# Altium PCB cheriot-test.PcbDoc (part 7 of 10) (continued)
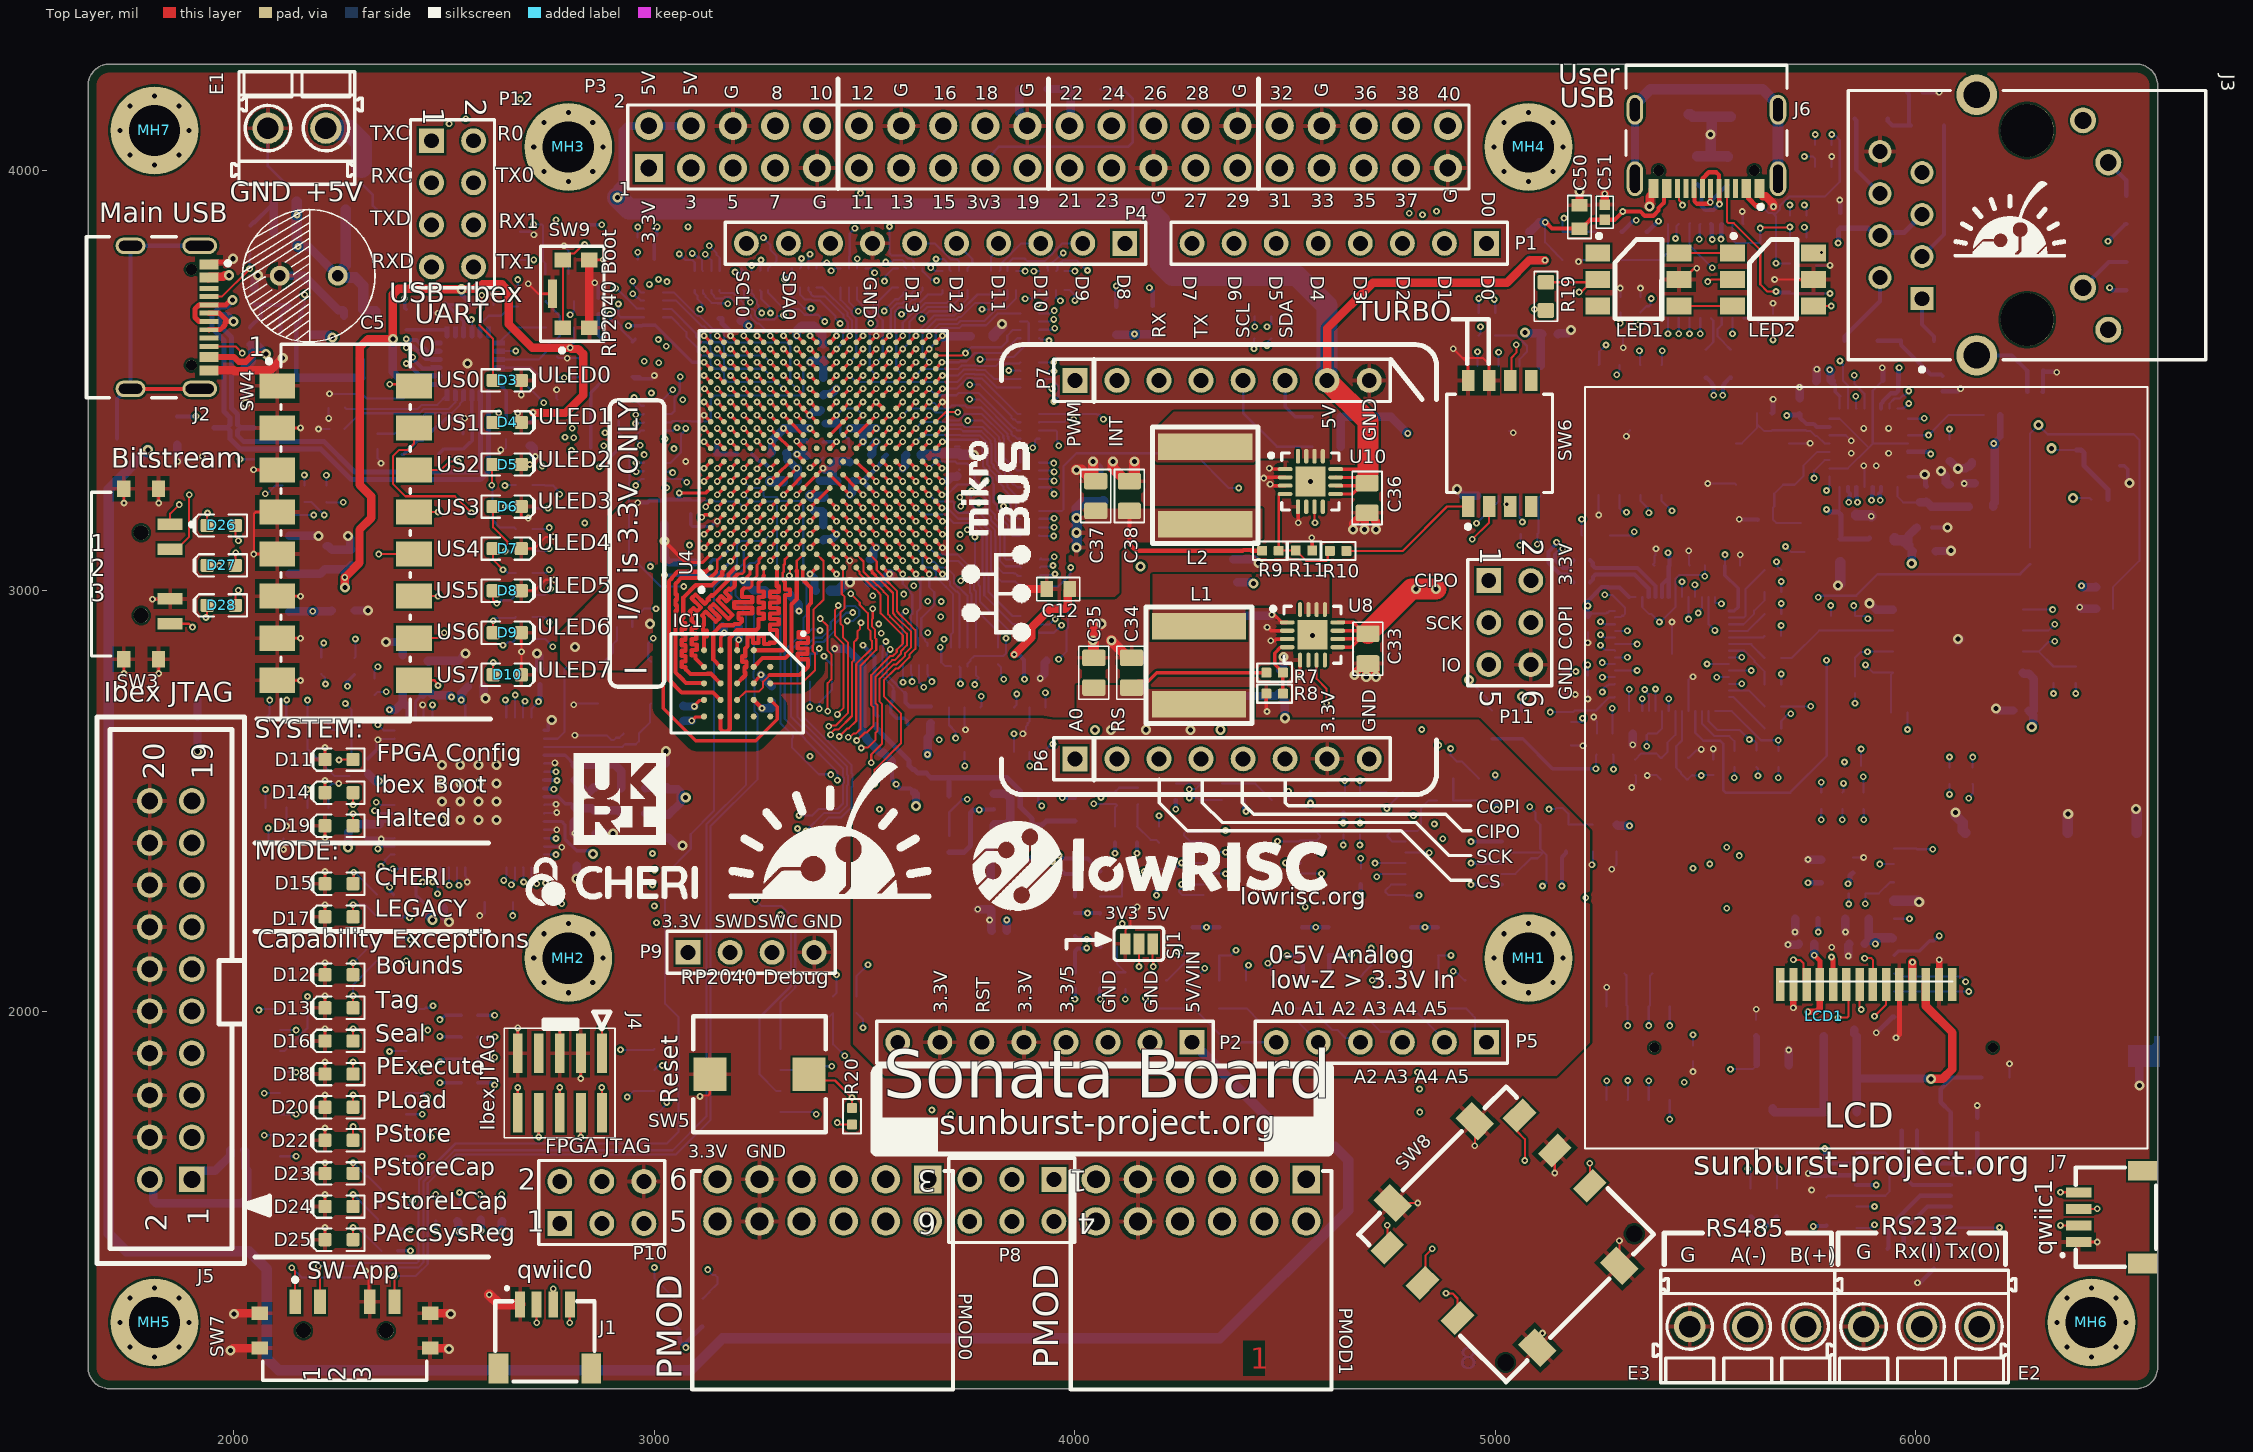
[diagram p0: Top Layer view]
## Nets (pads, with @x,y where several pads share a name; then routed paths per layer and width w, separated by ;. In a path a pad name is that pad's centre, name@x,y a point inside that pad or via, vN(x,y) a via of type N, cw(c..) or ccw(c..) an arc to the next point about the centre after c; other vN are vias at no path point) (continued)
NetR183_3A: R183.3A U4.R11 | length 429.9
  Top Layer w8: U4.R11@3574.8,3370.08 v1(3590.55,3385.83)
  Int6 (Sign) w5: v1(3590.55,3385.83) 3606.05,3401.33 3691.46,3401.33 3703.79,3389 3794.51,3389 3854.33,3448.82 3854.33,3511.81 v1(3842.52,3523.62)
  Bottom Layer w5: v1(3842.52,3523.62) 3843,3523.14 3869.52,3523.14 R183.3A@3870,3522.67
NetR183_4A: R183.4A U4.T15 | length 283.7
  Top Layer w8: U4.T15@3606.3,3496.06 v1(3622.05,3511.81)
  Bottom Layer w5: v1(3622.05,3511.81) 3637.55,3527.31 3722.96,3527.31 3731.15,3535.5 3768.95,3535.5 3769.95,3534.5 3812.61,3534.5 3818.11,3540 3867.65,3540 R183.4A@3870,3542.35
NetR184_1A: R184.1A U4.U8 | length 506.1
  Top Layer w8: U4.U8@3637.8,3275.59 v1(3653.54,3259.84)
  Int6 (Sign) w5: v1(3653.54,3259.84) 3655.65,3257.74 3664.02,3257.74 3677.91,3243.85 3695.71,3243.85 3710.36,3229.2 3710.36,3215.94 3712.12,3214.18 3712.12,3208.08 3712.85,3207.35 3712.85,3194.37 3746.59,3160.63 3749.7,3160.63 3749.81,3160.52 3750.89,3160.52 3756.13,3155.29 3766.54,3144.91 3766.54,3134.91 3762.19,3130.56 v1(3762.19,3127.58)
  Bottom Layer w5: v1(3762.19,3127.58) 3762.19,3058.84 3770.47,3050.56 3770.47,3014.06 3774.47,3010.06 3774.47,2973.56 3845.91,2902.12 3867.88,2902.12 R184.1A@3870,2900.01
NetR184_2A: R184.2A U4.T6 | length 466.7
  Top Layer w8: U4.T6@3606.3,3212.6 v1(3622.05,3196.85)
  Bottom Layer w5: v1(3622.05,3196.85) 3638.04,3180.85 3691.46,3180.85 3711.17,3161.14 3751.64,3161.14 3760.32,3152.46 3760.32,3151.37 3780.47,3131.22 3780.47,3039.05 3784.47,3035.05 3784.47,2988.88 3852.63,2920.71 3868.98,2920.71 R184.2A@3870,2919.69
NetR184_3A: R184.3A U4.V6 | length 393.9
  Top Layer w8: U4.V6@3669.29,3212.6 3669.29,3212 3683.83,3197.45 v1(3683.83,3196.85)
  Bottom Layer w5: v1(3683.83,3196.85) 3685.94,3194.75 3698.33,3194.75 3721.93,3171.14 3755.78,3171.14 3770.32,3156.6 3770.32,3155.51 3790.47,3135.37 3790.47,3043.19 3794.47,3039.19 3794.47,2997 3851.74,2939.73 3869.65,2939.73 R184.3A@3870,2939.38
NetR185_1A: R185.1A U4.V10 | length 389.5
  Top Layer w8: U4.V10@3669.29,3338.58 v1(3685.04,3354.33)
  Bottom Layer w5: v1(3685.04,3354.33) 3688.02,3354.33 3692.69,3359 3769.17,3359 3779.48,3348.68 3779.48,3330.8 3781.53,3328.76 3781.53,3295.51 3787.15,3289.88 3787.15,3284.88 3804.11,3267.92 3804.11,3255.87 3807.15,3252.83 3807.15,3210.3 3814.82,3202.63 3814.82,3192.17 3820.32,3186.67 3820.32,3176.22 3840.47,3156.08 3840.47,3141.36 3851.2,3130.62 R185.1A@3870,3130.62
NetR185_2A: R185.2A U4.T9 | length 347.5
  Top Layer w8: U4.T9@3606.3,3307.09 v1(3622.05,3291.34)
  Int6 (Sign) w5: v1(3622.05,3291.34) 3638.04,3275.34 3693.47,3275.34 3726.93,3241.88 3734.77,3241.88 3737.04,3239.61 3737.04,3233.1 3741.36,3228.78 3741.36,3227.14 3744.42,3224.09 3745.58,3224.09 3747.93,3221.74 3762.81,3221.74 3765.23,3224.16 3778.07,3224.16 3783.4,3218.84 3789.03,3218.84 3806.43,3201.44 3829.81,3201.44 v1(3830.32,3200.92)
  Bottom Layer w5: v1(3830.32,3200.92) 3830.32,3180.36 3854.1,3156.59 3856.83,3156.59 3863.11,3150.31 R185.2A@3870,3150.31
NetR185_3A: R185.3A U4.T10 | length 424
  Top Layer w8: U4.T10@3606.3,3338.58 v1(3622.05,3354.33)
  Bottom Layer w5: v1(3622.05,3354.33) 3638.04,3370.33 3728.97,3370.33 3730.3,3369 3773.31,3369 3789.7,3352.61 3789.7,3347.06 3791.53,3345.24 3791.53,3299.65 3797.15,3294.03 3797.15,3289.02 3814.11,3272.06 3814.11,3262.81 3830.1,3246.82 3830.1,3242.38 3846.46,3226.03 3846.46,3183.92 3854.1,3176.27 3859.7,3173.4 R185.3A@3870,3169.99
NetR185_4A: R185.4A U4.V11 | length 349.2
  Top Layer w8: U4.V11@3669.29,3370.08 v1(3685.04,3385.83)
  Bottom Layer w5: v1(3685.04,3385.83) 3686.37,3384.5 3728.94,3384.5 3734.44,3379 3777.45,3379 3799.7,3356.75 3799.7,3351.21 3801.53,3349.38 3801.53,3303.79 3807.15,3298.17 3807.15,3293.16 3824.11,3276.21 3824.11,3268.06 3840.1,3252.07 3840.1,3246.52 3859.7,3226.92 3859.7,3193.09 3863.11,3189.68 R185.4A@3870,3189.68
NetR186_1: R186.1 U4.J15 | length 1702.7
  Top Layer w8: v1(3370.08,3511.81) U4.J15@3385.83,3496.06
  Int6 (Sign) w5: v1(3370.08,3511.81) 3370.08,3508.83 3364.33,3503.09 3364.33,3499.79 3354.08,3489.55 3354.08,3442.4 3354.08,3379.9 3362.33,3371.66 3362.33,3313.74 3354.58,3305.99 3354.58,3285.41 3323.08,3253.92 3323.08,3095.94 3336.58,3082.45 3336.58,2993.28 3328.24,2984.94 3328.24,2936.36 3357.58,2907.03 3357.58,2904.44 3382.01,2880.01 3433.25,2880.01 3448.82,2864.44 3449.6,2864.44 3479.39,2834.65 3479.39,2670.03 3507.63,2641.8 3507.63,2604.35 3500.25,2596.97 3500.25,2584.13 3507.63,2576.75 3507.63,2567.31 3498.12,2557.81 3498.12,2378.9 3492.37,2373.16 3492.37,2105.54 3479.33,2092.5 3438.95,2092.5 v1(3433.07,2086.61)
  Bottom Layer w5: R186.1@3425.2,2035.43 3432.61,2042.84 3432.61,2086.15 v1(3433.07,2086.61)
NetR187_1: R187.1 U4.K16 | length 1705.1
  Top Layer w8: U4.K16@3417.32,3527.56 v1(3433.07,3543.31)
  Int6 (Sign) w5: v1(3433.07,3543.31) 3415.07,3525.31 3415.07,3383.83 3385.58,3354.33 3385.58,3286.12 3354.58,3255.12 3354.58,3032.95 3359.24,3028.29 3359.24,2919.51 3367.58,2911.17 3367.58,2908.58 3386.15,2890.01 3467.05,2890.01 3480.56,2876.5 3480.56,2863.66 3489.39,2854.83 3489.39,2674.17 3521.5,2642.07 3521.5,2625.78 3531.5,2615.78 3531.5,2577.04 3508.12,2553.66 3508.12,2110.48 v1(3507.87,2110.24)
  Bottom Layer w5: R187.1@3480.72,2035.83 R187.1@3480.32,2035.43 3480.32,2082.68 v1(3507.87,2110.24)
NetR188_1A: R188.1A U4.T11 | length 378.7
  Top Layer w8: U4.T11@3606.3,3370.08 v1(3622.05,3385.83)
  Bottom Layer w5: v1(3622.05,3385.83) 3637.55,3401.33 3692.61,3401.33 3699.44,3394.5 3733.08,3394.5 3738.58,3389 3781.59,3389 3809.7,3360.89 3809.7,3355.35 3811.53,3353.52 3811.53,3307.93 3817.15,3302.31 3817.15,3297.3 3834.11,3280.35 3834.11,3272.2 3854.1,3252.21 3856.83,3252.21 3863.11,3245.93 R188.1A@3870,3245.93
NetR188_2A: R188.2A U4.U12 | length 336
  Top Layer w8: U4.U12@3637.8,3401.57 v1(3653.54,3417.32)
  Int6 (Sign) w5: v1(3653.54,3417.32) 3688.98,3417.32 3694.97,3411.33 3695.6,3411.33 3702.43,3404.5 v1(3745,3404.5)
  Bottom Layer w5: v1(3745,3404.5) 3780.24,3404.5 3819.7,3365.03 3819.7,3359.49 3821.53,3357.66 3821.53,3312.08 3832.81,3300.79 3832.81,3295.78 3844.11,3284.49 3844.11,3281.89 3854.1,3271.9 3856.83,3271.9 3863.11,3265.62 R188.2A@3870,3265.62
NetR188_3A: R188.3A U4.R12 | length 413.2
  Top Layer w8: U4.R12@3574.8,3401.57 v1(3590.55,3417.32)
  Bottom Layer w5: v1(3590.55,3417.32) 3606.05,3432.82 3659.96,3432.82 3669.47,3423.32 3684.76,3423.32 3703.58,3404.5 3723.08,3404.5 3738.58,3420 3778.88,3420 3829.7,3369.17 3829.7,3363.63 3831.53,3361.81 3831.53,3316.22 3842.81,3304.94 3842.81,3302.87 3854.1,3291.58 3856.83,3291.58 3863.11,3285.3 R188.3A@3870,3285.3
NetR188_4A: R188.4A U4.U13 | length 326.1
  Top Layer w8: U4.U13@3637.8,3433.07 v1(3653.54,3448.82)
  Bottom Layer w5: v1(3653.54,3448.82) 3655.65,3446.71 3665.22,3446.71 3678.62,3433.32 3699.76,3433.32 3706.44,3440 3739.73,3440 3744.24,3435.5 3777.52,3435.5 3839.7,3373.32 3839.7,3367.77 3841.53,3365.95 3841.53,3360.41 3870,3331.94 R188.4A@3870,3304.99
NetR189_1A: R189.1A U4.R10 | length 799.5
  Top Layer w8: U4.R10@3574.8,3338.58 v1(3590.55,3354.33)
  Int6 (Sign) w5: v1(3590.55,3354.33) 3624.88,3320 3705.32,3320 3757.36,3267.96 3770.2,3267.96 3801.7,3299.46 3804.46,3299.46 3920,3415 3920,3551.43 4000,3631.43 v1(4000,3690)
  Bottom Layer w5: R189.1A@3974.99,3714.72 3988.39,3714.72 3997.9,3705.22 3997.9,3692.1 v1(4000,3690)
NetR189_2A: R189.2A U4.V12 | length 542.4
  Top Layer w5: U4.V12@3669.29,3401.57 3692.22,3424.5 v1(3721.16,3424.5)
  Int6 (Sign) w5: v1(3721.16,3424.5) 3747.2,3424.5 3751.7,3420 3774.76,3420 3819.11,3464.35 3819.11,3551.39 3881.89,3614.17 3881.89,3672.94 3887.92,3678.97 ; 3887.95,3678.97 3897.03,3688.05 3897.03,3688.65 3905.16,3696.78 3930.17,3696.78 3937.51,3689.43 v1(3965.5,3689.43)
  Bottom Layer w5: R189.2A@3955.3,3714.72 3955.3,3696.42 3960.19,3691.54 3963.4,3691.54 v1(3965.5,3689.43)
NetR189_3A: R189.3A U4.U11 | length 637.4
  Top Layer w8: U4.U11@3637.8,3370.08 v1(3653.54,3385.83)
  Int6 (Sign) w5: v1(3653.54,3385.83) 3669.54,3369.83 3737.44,3369.83 3763.06,3344.21 3763.06,3343.29 ; 3763.98,3343.29 3833.29,3343.29 3910,3420 3910,3663.28 3912.4,3665.67 v1(3912.4,3681.28)
  Bottom Layer w5: v1(3912.4,3681.28) 3919.77,3681.28 3935.62,3697.13 R189.3A@3935.62,3714.72
NetR189_4A: R189.4A U4.M18 | length 520.5
  Top Layer w8: U4.M18@3480.32,3590.55 v1(3496.06,3606.3)
  Int6 (Sign) w5: v1(3496.06,3606.3) 3496.06,3634.04 3499.12,3637.1 3499.12,3642.28 3513.03,3656.2 3513.03,3659.31 3548.22,3694.5 3618.12,3694.5 3623.62,3700 3759.8,3700 3764.34,3704.54 3793.74,3704.54 3798.76,3699.52 3809.12,3699.52 3814.14,3694.5 v1(3881.53,3694.47)
  Bottom Layer w5: v1@3881.56,3694.5 3902.6,3694.5 3915.93,3707.83 R189.4A@3915.93,3714.72
NetR190_1A: R190.1A U4.U18 | length 287.9
  Top Layer w8: U4.U18@3637.8,3590.55 v1(3653.54,3606.3)
  Bottom Layer w5: v1(3653.54,3606.3) 3655.65,3608.4 3655.65,3612.97 3677.11,3634.43 3721.25,3634.43 3728.03,3641.2 3784.69,3641.2 3812.86,3669.37 3834.62,3669.37 3859.68,3694.43 R190.1A@3859.68,3714.72
NetR190_2A: R190.2A U4.T16 | length 354.1
  Top Layer w8: U4.T16@3606.3,3527.56 v1(3622.05,3543.31)
  Int6 (Sign) w5: v1(3622.05,3543.31) 3638.04,3559.3 3638.04,3612.72 3694.36,3669.04 v1(3779.04,3669.04)
  Bottom Layer w5: v1(3779.04,3669.04) 3798.39,3669.04 3808.72,3679.37 3824.37,3679.37 3839.99,3694.99 R190.2A@3839.99,3714.72
NetR190_3A: R190.3A U4.U16 | length 328.3
  Top Layer w8: U4.U16@3637.8,3527.56 v1(3653.54,3543.31)
  Bottom Layer w5: v1(3653.54,3543.31) 3638.04,3558.81 3638.04,3612.72 3669.75,3644.43 3717.11,3644.43 3723.88,3651.2 3729.43,3651.2 3762.76,3684.54 3799.75,3684.54 3814.03,3698.82 3814.03,3701.56 3820.31,3707.83 R190.3A@3820.31,3714.72
NetR190_4A: R190.4A U4.T18 | length 252.5
  Top Layer w8: U4.T18@3606.3,3590.55 v1(3622.05,3606.3)
  Bottom Layer w5: v1(3622.05,3606.3) 3624.15,3608.4 3624.15,3612.97 3665.61,3654.43 3712.97,3654.43 3719.74,3661.2 3725.28,3661.2 3768.51,3704.43 3797.22,3704.43 3800.62,3707.83 R190.4A@3800.62,3714.72
NetR191_1A: R191.1A U4.R16 | length 292.9
  Top Layer w8: U4.R16@3574.8,3527.56 v1(3590.55,3543.31)
  Int6 (Sign) w5: v1(3590.55,3543.31) 3606.55,3559.3 3606.55,3617.29 v1(3635.74,3646.48)
  Bottom Layer w5: v1(3635.74,3646.48) 3653.69,3664.43 3708.83,3664.43 3715.6,3671.2 3721.14,3671.2 3744.37,3694.43 R191.1A@3744.37,3714.72
NetR191_2A: R191.2A U4.R17 | length 254.6
  Top Layer w8: U4.R17@3574.8,3559.06 v1(3590.55,3574.8)
  Bottom Layer w5: v1(3590.55,3574.8) 3606.55,3590.8 3606.55,3639.21 3629.32,3661.98 3636.48,3661.98 3648.93,3674.43 3704.68,3674.43 3724.68,3694.43 R191.2A@3724.68,3714.72
NetR191_3A: R191.3A U4.R18 | length 211.7
  Top Layer w8: U4.R18@3574.8,3590.55 v1(3590.55,3606.3)
  Bottom Layer w5: v1(3590.55,3606.3) 3590.55,3637.35 3625.18,3671.98 3632.33,3671.98 3644.79,3684.43 3695,3684.43 3705,3694.43 R191.3A@3705,3714.72
NetR191_4A: R191.4A U4.P14 | length 809.7
  Top Layer w8: U4.P14@3543.31,3464.57 v1(3559.06,3480.31)
  Int6 (Sign) w5: v1(3559.06,3480.31) 3574.56,3495.81 3574.56,3517.74 3584.13,3527.31 3773.73,3527.31 3795,3548.58 3795,3560 3810,3575 3810,3623.05 3807.27,3625.78 3807.27,3641.94 3810,3644.66 3810,3682.07 3803.77,3688.31 3795.84,3688.31 3789.6,3694.54 3768.48,3694.54 3763.94,3690 3627.77,3690 3622.27,3684.5 3614.49,3684.5 v1(3587.57,3657.58)
  Bottom Layer w5: v1(3587.57,3657.58) 3589.67,3659.68 3598.74,3659.68 3621.03,3681.98 3628.19,3681.98 3650.64,3704.43 3681.91,3704.43 3685.31,3707.83 R191.4A@3685.31,3714.72
NetR194_1A: R194.1A U4.J18 | length 311.8
  Top Layer w8: v1(3370.08,3606.3) U4.J18@3385.83,3590.55
  Int4 (Sign) w5: v1(3307.09,3655) 3339.8,3655 3370.08,3624.72 v1(3370.08,3606.3)
  Bottom Layer w5: R194.1A@3155.07,3714.72 3155.07,3711.15 3158.48,3707.74 3187.79,3707.74 3212.18,3683.36 3212.18,3679.18 3221.26,3670.1 3233.7,3670.1 3239.59,3664.2 3239.59,3654.02 3248.67,3644.94 3284.64,3644.94 3292.59,3652.9 3304.99,3652.9 v1(3307.09,3655)
NetR194_2A: R194.2A U4.F18 | length 220.3
  Top Layer w8: v1(3275.59,3606.3) U4.F18@3291.34,3590.55
  Bottom Layer w5: R194.2A@3135.39,3714.72 3135.39,3707.83 3141.67,3701.56 3141.67,3698.82 3146.06,3694.43 3164.09,3694.43 3167.4,3697.74 3180.74,3697.74 3195.73,3682.76 3195.73,3681.49 3217.12,3660.1 3223.82,3660.1 3229.59,3654.32 3229.59,3649.88 3244.53,3634.94 3248.98,3634.94 3275.59,3608.32 v1(3275.59,3606.3)
NetR194_3A: R194.3A U4.J17 | length 402.7
  Top Layer w8: v1(3370.08,3574.8) U4.J17@3385.83,3559.06
  Int3 (Sign) w5: v1(3174.32,3682.24) 3174.32,3682.84 3184.99,3693.5 3184.99,3697.12 3188.97,3701.1 3297.2,3701.1 3385.83,3612.47 3385.83,3590.55 v1(3370.08,3574.8)
  Bottom Layer w5: R194.3A@3115.7,3714.72 3115.7,3707.83 3121.98,3701.55 3121.98,3698.82 3136.38,3684.43 3149.46,3684.43 3150.46,3683.43 3173.13,3683.43 v1(3174.32,3682.24)
NetR194_4A: R194.4A U4.K15 | length 567.6
  Top Layer w8: U4.K15@3417.32,3496.06 v1(3433.07,3511.81)
  Int4 (Sign) w5: v1(3108.66,3668.93) 3110.77,3671.03 3141.19,3671.03 3171.25,3701.1 3365.82,3701.1 3420.5,3646.42 3420.5,3615.65 3417.57,3612.72 3417.57,3527.31 v1(3433.07,3511.81)
  Bottom Layer w5: R194.4A@3096.02,3714.72 3096.02,3707.83 3102.3,3701.56 3102.3,3693.85 3112.49,3683.66 3112.49,3680.12 3113.81,3678.8 3113.81,3677.06 3108.66,3671.91 v1(3108.66,3668.93)
NetU5_62: U5.62 U16.2 | length 678.2
  Int3 (Sign) w5: v1(2125.98,2740.16) 2145.19,2740.16 2160.94,2755.91 2223.08,2755.91 2224.4,2757.23 2330.98,2757.23 2348.79,2775.04 2429.7,2775.04 2444.66,2790 2491.92,2790 2518.14,2763.78 2643.97,2763.78 2655.78,2751.97 v1(2669.29,2751.97)
  Bottom Layer w5: U5.62@2668.27,2698.15 2668.78,2698.66 2668.78,2751.46 v1(2669.29,2751.97)
  Bottom Layer w6: U16.2@2125,2696.3 2125,2739.17 v1(2125.98,2740.16)
NetU5_63: U5.63 U16.1 | length 731.9
  Int3 (Sign) w5: v1(2085.01,2739.81) 2108.59,2716.23 2345.02,2716.23 2362.83,2734.04 2386.97,2734.04 2408.16,2712.85 2669.54,2712.85 2692.4,2735.7 v1(2692.4,2736.74)
  Bottom Layer w5: U16.1@2075,2696.3 2084.31,2705.61 2084.31,2739.11 v1(2085.01,2739.81) ; U5.63@2687.95,2698.15 2687.95,2729.31 2692.4,2733.76 v1(2692.4,2736.74)
NetU11_31: U11.31 U19.2 | length 1545.1
  Int6 (Sign) w5: v1(5064.19,3163.39) 5064.19,3226.72 4984.25,3306.66 4984.25,3565.61 5001.13,3582.49 5013.97,3582.49 5023.05,3573.41 5023.05,3472.19 5017.02,3466.16 5017.02,3364.94 5175.5,3206.46 5175.5,2884.73 5215.73,2844.5 5260.72,2844.5 5269.94,2835.28 5269.94,2787.83 5256.55,2774.43 5256.55,2761.1 v1(5254.44,2759)
  Bottom Layer w5: U19.2@5057.53,3225.45 5057.53,3173.03 5064.19,3166.37 v1(5064.19,3163.39) ; v1(5254.44,2759) 5256.55,2761.1 5256.55,2766.4 5264.33,2774.19 5267.07,2774.19 5269.94,2777.06 5282.74,2777.06 U11.31@5284.17,2778.5
NetU11_34: U11.34 U19.6 | length 1007.2
  Int6 (Sign) w5: v1(5007.55,3566.99) 4994.25,3553.69 4994.25,3310.8 5094,3211.05 5094,3144.08 5145,3093.08 5145,2832.47 5185.04,2792.43 5217.73,2792.43 v1(5254.3,2829)
  Bottom Layer w5: U19.6@5007.54,3534.56 v1@5007.54,3566.98 ; v1(5254.3,2829) 5257.28,2829 5260.53,2825.74 U11.34@5284.17,2825.74
NetU11_35: U11.35 U19.5 | length 1060.1
  Int6 (Sign) w5: v1(4957.53,3568.44) 4981.58,3592.49 5018.11,3592.49 5033.05,3577.55 5033.05,3468.05 5027.02,3462.02 5027.02,3369.09 5185.5,3210.61 5185.5,2888.87 5219.87,2854.5 5300.9,2854.5 v1(5313.91,2841.49)
  Bottom Layer w5: U19.5@4957.53,3534.55 v1(4957.53,3568.44) ; U11.35@5284.17,2841.49 v1(5313.91,2841.49)
NetU11_51: U11.51 U18.7 | length 661.9
  Int6 (Sign) w5: v1(5342.5,3570.24) 5342.87,3569.87 5342.87,3399.94 5347.4,3395.42 5347.4,3180.68 5443.62,3084.46 v1(5443.62,3021.5)
  Bottom Layer w5: v1(5342.5,3570.24) 5343.75,3568.99 5343.75,3537.61 U18.7@5345,3536.36 ; U11.51@5443.62,2985.19 v1(5443.62,3021.5)
NetU11_52: U11.52 U18.6 | length 730.2
  Int6 (Sign) w5: v1(5288.38,3513.63) 5288.38,3126.53 5459.37,2955.55 v1(5459.37,2932.44)
  Bottom Layer w5: v1(5288.38,3513.63) 5288.38,3515.1 5295,3521.72 U18.6@5295,3536.36 ; v1(5459.37,2932.44) U11.52@5459.37,2985.19
NetU11_53: U11.53 U18.5 | length 775.6
  Int6 (Sign) w5: v1(5262.92,3584.16) 5262.92,3582.46 5313.88,3531.5 5313.88,3510.05 5332.87,3491.06 5332.87,3388.67 5337.4,3384.15 5337.4,3176.54 5365.77,3148.17 5365.77,3077.43 5437.2,3006 5465,3006 5473.24,3014.24 v1(5474.43,3014.24)
  Bottom Layer w5: U18.5@5245,3536.36 5247,3538.36 5247,3568.24 v1(5262.92,3584.16) ; v1(5474.43,3014.24) 5474.77,3013.89 5474.77,2985.53 U11.53@5475.12,2985.19
NetU11_54: U11.54 U18.3 | length 404.1
  Int6 (Sign) w5: v1(5311.9,3186.58) 5312.5,3185.98 5312.5,3171.08 5315,3168.58 5315,3114.06 v1(5482.24,2946.84)
  Bottom Layer w5: U18.3@5295,3227.26 5295,3196.35 5302.66,3188.69 5309.79,3188.69 v1(5311.9,3186.58) ; v1(5482.24,2946.84) 5482.24,2949.81 5490.87,2958.44 U11.54@5490.87,2985.19
NetU11_55: U11.55 U18.2 | length 503.4
  Int6 (Sign) w5: v1(5365,3185) 5403.08,3185 5522,3066.08 v1(5522,2905.5)
  Bottom Layer w5: U18.2@5345,3227.26 5345,3214.1 5362.9,3196.2 5362.9,3187.1 v1(5365,3185) ; U11.55@5506.61,2985.19 5506.61,2920.89 v1(5522,2905.5)
NRST: J4.10 J5.15 P2.6 R20.2 SW2.12 SW5.2 U4.T5 U11.28 | length 8902
  Top Layer w5: J4.10@2675,1758.27 v1(2675,1818.51) ; SW5.2@3368.11,1850 3383.11,1835 3429.5,1835 v1(3470,1794.5) R20.2@3470,1769.68
  Top Layer w8: U4.T5@3606.3,3181.1 v1(3622.05,3165.35)
  Int1 (Sign) w5: v1(2072,1805) 2199.21,1805 2236.17,1841.96 2465.03,1841.96 2478.33,1855.26 2675,1855.26 ; v1(2675,1818.51) 2675,1855.26 ; v1(3470,1794.5) 3457.63,1782.13 3168.59,1782.13 3137.95,1812.77 3054.81,1812.77 3012.32,1855.26 2675,1855.26 ; v1(3726.04,3102.36) 3711.47,3116.93 3711.47,3148.48 3756.15,3193.16 3778.07,3193.16 3787.15,3202.24 3787.15,3239.57 3790.08,3242.5 3831.85,3242.5 3909.72,3164.64 3909.72,3148.36 3980.78,3077.3 4268.46,3077.3 4299.07,3046.69 4586.75,3046.69 4856.45,2776.99 4919.84,2776.99 4928.93,2767.9 4945.09,2767.9 4954.17,2776.99 5306.42,2776.99 5317.59,2765.82 v1(5318.46,2765.82)
  Int4 (Sign) w5: P2.6@3778.74,1925.98 3976.93,1727.8 5805.94,1727.8 6071,1992.86 6071,2477.35 5797.56,2750.79 5492.29,2750.79 5461.29,2781.79 5333.14,2781.79 5318.46,2767.11 v1(5318.46,2765.82)
  Int6 (Sign) w5: J5.15@1900,2300 1906.09,2293.91 1938.01,2293.91 2190.5,2041.42 2190.5,2019.42 2085,1913.92 2085,1818 v1(2072,1805) ; v1(3470,1794.5) 3524.5,1740 3554.57,1740 3555.07,1739.5 3711.42,1739.5 3778.74,1806.82 P2.6@3778.74,1925.98 ; v1(3622.05,3165.35) 3637.55,3149.85 3690.96,3149.85 3711.51,3129.31 3711.51,3116.89 v1(3726.04,3102.36)
  Bottom Layer w5: v1(2072,1805) SW2.12@2110,1805 ; U11.28@5317.64,2713.54 5318.05,2713.95 5318.05,2765.4 v1(5318.46,2765.82)
PMOD0_1: PMOD0.1 R174.1B | length 2853.7
  Int6 (Sign) w5: v1(2948.73,3735.65) 2933.37,3720.29 2933.37,3708.47 2929.97,3705.07 2929.97,3665.27 2919.2,3654.5 2919.2,3646.92 2905.19,3632.91 2905.19,3403.23 2918.07,3390.35 2918.07,2707.27 2932.57,2692.77 2932.57,2497.07 2967.11,2462.54 2967.11,2154.95 3105,2017.05 3105,1923.23 3368.73,1659.5 3449.19,1659.5 3491.5,1617.19 3491.5,1499.81 3532.81,1458.5 3567.19,1458.5 3608.5,1499.81 3608.5,1517.19 3650,1558.69 PMOD0.1@3650,1600
  Bottom Layer w5: v1(2948.73,3735.65) 2950.84,3733.55 2950.84,3726.64 2968.11,3709.37 R174.1B@2975,3709.37
PMOD0_2: PMOD0.2 R174.2B | length 2480.8
  Int6 (Sign) w5: v1(2948.66,3705.96) 2948.66,3669.82 2929.2,3650.36 2929.2,3642.78 2915.19,3628.77 2915.19,3407.37 2928.07,3394.49 2928.07,2711.41 2945.36,2694.13 2945.36,2498.43 3006.76,2437.02 3006.76,2433.78 3015.84,2424.7 3019.08,2424.7 3020.5,2423.28 3020.5,2115.7 3115,2021.2 3115,1927.37 3372.87,1669.5 3480.5,1669.5 PMOD0.2@3550,1600
  Bottom Layer w5: v1(2948.66,3705.96) 2949.1,3705.96 2959.1,3695.96 2961.83,3695.96 2968.11,3689.69 R174.2B@2975,3689.69
PMOD0_3: PMOD0.3 R174.3B | length 2923.6
  Int6 (Sign) w5: v1(2907.87,3719.03) 2860,3671.16 2860,3342.23 2885,3317.23 2885,2908.83 2881.57,2905.4 2881.57,2497.01 2937.11,2441.47 2937.11,2142.52 3075,2004.63 3075,1516.31 3154.3,1437.01 3366.14,1437.01 3402.57,1473.43 3402.57,1552.57 PMOD0.3@3450,1600
  Bottom Layer w5: v1(2907.87,3719.03) 2909.83,3719.03 2957.63,3671.23 2973.77,3671.23 R174.3B@2975,3670
PMOD0_4: PMOD0.4 R174.4B | length 2387
  Int6 (Sign) w5: v1(2914.47,3681.79) 2912.36,3679.69 2912.36,3666.61 2909.2,3663.45 2909.2,3651.06 2900.12,3641.98 2889.04,3641.98 2885.5,3638.44 2885.5,3408.78 2908.07,3386.21 2908.07,2903.62 2901.57,2897.12 2901.57,2513.93 2957.11,2458.39 2957.11,2150.81 3095,2012.91 3095,1869.86 3350,1614.86 PMOD0.4@3350,1600
  Bottom Layer w5: v1(2914.47,3681.79) 2914.47,3655.75 2920.06,3650.16 2974.84,3650.16 R174.4B@2975,3650.32
PMOD0_5: PMOD0.7 R176.1B | length 3535.3
  Int6 (Sign) w5: v1(3259.22,3839.02) 3260,3838.24 3260,3814.88 3234.08,3788.96 3225.02,3788.96 3220.33,3784.27 3053.47,3784.27 3052.09,3785.66 2938.43,3785.66 2840,3687.23 2840,3191.54 2860.21,3171.33 2860.21,2454.27 2881.83,2432.65 2881.83,2403.69 2917.11,2368.42 2917.11,2134.24 3055,1996.34 3055,1508.03 3146.02,1417.01 3567.01,1417.01 PMOD0.7@3650,1500
  Bottom Layer w5: v1(3259.22,3839.02) 3275.66,3822.57 3275.66,3810.55 3290,3796.21 3290,3783.79 3281.21,3775 3278.49,3775 3270.38,3766.89 R176.1B@3270.38,3760
PMOD0_6: PMOD0.8 R176.2B | length 2989.6
  Int6 (Sign) w5: v1(3253.52,3786.48) 3251.42,3784.37 3251.42,3771.51 3236.89,3756.98 3212.24,3756.98 3207.16,3751.91 3207.16,3751.2 3198.08,3742.12 3185.24,3742.12 3177.37,3750 3045.32,3750 3039.66,3755.66 2983.74,3755.66 2974.34,3746.26 2973.91,3746.26 2964.83,3737.18 2964.83,3736.75 2964.5,3736.42 2964.5,3729.5 2964.16,3729.16 2964.16,3622.37 2936.29,3594.49 2936.29,3400.42 2938.07,3398.64 2938.07,2731.93 3032.39,2637.61 3035.64,2637.61 3047.06,2626.19 3047.06,2610.03 3041,2603.97 3041,2109.34 3125,2025.34 3125,1931.51 3377.01,1679.5 3529.19,1679.5 3591.5,1617.19 3591.5,1541.5 PMOD0.8@3550,1500
  Bottom Layer w5: R176.2B@3250.7,3760 3252.11,3761.41 3252.11,3785.07 v1(3253.52,3786.48)
PMOD0_7: PMOD0.9 R176.3B | length 3144.8
  Int6 (Sign) w5: v1(3231.44,3773.46) 3050.15,3773.46 3047.94,3775.66 2942.57,3775.66 2850,3683.09 2850,3195.68 2870.21,3175.47 2870.21,2494.23 2927.11,2437.33 2927.11,2138.38 3065,2000.49 3065,1512.17 3150.16,1427.01 3377.01,1427.01 PMOD0.9@3450,1500
  Bottom Layer w5: R176.3B@3231.01,3760 3231.01,3773.03 v1(3231.44,3773.46)
PMOD0_8: PMOD0.10 R176.4B | length 2783
  Int6 (Sign) w5: v1(3191.66,3757.62) 3188.69,3757.62 3182.85,3763.46 3046,3763.46 3043.8,3765.66 2956.82,3765.66 2923.37,3732.21 2923.37,3712.61 2898.84,3688.08 2898.84,3677.98 2893.84,3672.98 2887.28,3672.98 2878.2,3663.9 2878.2,3648.54 2870,3640.34 2870,3410.14 2898.07,3382.07 2898.07,2907.76 2891.57,2901.26 2891.57,2509.79 2947.11,2454.25 2947.11,2146.66 3085,2008.77 3085,1865.72 3291.5,1659.22 3291.5,1558.5 PMOD0.10@3350,1500
  Bottom Layer w5: v1(3191.66,3757.62) 3193.44,3755.85 3201.93,3755.85 3203.28,3754.5 3207.42,3754.5 3207.42,3765.5 3211.33,3761.59 R176.4B@3211.33,3760
PMOD1_1: PMOD1.1 R172.1B | length 2737.5
  Int3 (Sign) w5: v1(2975.51,3323.59) 2975,3323.08 2975,3307.74 2996,3286.74 2996,3178.34 2975,3157.34 2975,3050.94 2998.5,3027.44 2998.5,3006.5 3120.96,2884.04 3120.96,2881.13 3297.21,2704.88 3301.11,2704.88 3450.71,2555.29 3450.71,2525.88 3450,2525.17 3450,2490 3640,2300 3910,2300 3935.77,2274.23 3935.77,2028.37 3965,1999.14 3965,1998.95 3990.94,1973.01 3998.22,1973.01 4008.22,1963.01 4311.37,1963.01 4550,1724.39 PMOD1.1@4550,1600
  Bottom Layer w5: R172.1B@2975,3324.37 2975,3324.1 v1(2975.51,3323.59)
PMOD1_2: PMOD1.2 R172.2B | length 2610.7
  Int3 (Sign) w5: v1(2956.5,3303.9) 2957.84,3303.9 2986,3275.74 2986,3182.48 2965,3161.48 2965,3046.8 2988.5,3023.3 2988.5,2994.48 3240.28,2742.7 3240.28,2713.86 3363.34,2590.8 3369.22,2590.8 3409.33,2550.69 3409.33,2472.38 3660,2221.72 3660,2024.64 3674.64,2010 3871.72,2010 3925.77,1955.95 3925.77,1898.34 4134.61,1689.5 4360.5,1689.5 PMOD1.2@4450,1600
  Bottom Layer w5: v1(2956.5,3303.9) 2956.89,3304.29 2974.61,3304.29 R172.2B@2975,3304.69
PMOD1_3: PMOD1.3 R172.3B | length 2500
  Int3 (Sign) w5: v1(2956.5,3282.9) 2956.5,3282.32 2976,3262.82 2976,3186.62 2955,3165.62 2955,3042.65 2970,3027.65 2970,2969.14 2997.37,2941.77 2998.23,2941.77 3380,2560 3385.88,2560 3399.33,2546.55 3399.33,2468.24 3650,2217.57 3650,2024.14 3650,2017.57 3667.57,2000 3674.14,2000 3867.57,2000 3915.77,1951.81 3915.77,1894.2 4130.47,1679.5 4270.5,1679.5 PMOD1.3@4350,1600
  Bottom Layer w5: v1(2956.5,3282.9) 2957.55,3283.95 2973.95,3283.95 R172.3B@2975,3285
PMOD1_4: PMOD1.4 R172.4B | length 2426.7
  Int3 (Sign) w5: v1(2955.5,3250) 2955.5,3249.08 2945,3238.58 2945,2913.27 3087.87,2770.4 3102.01,2770.4 3130.69,2741.72 3130.69,2727.58 3308.27,2550 3381.74,2550 3389.33,2542.41 3389.33,2464.1 3640,2213.43 3640,2020 3640,2013.43 3663.43,1990 3827.07,1990 3830,1987.07 3830,1922.36 3991.01,1761.35 4034.47,1761.35 4126.32,1669.5 4180.5,1669.5 PMOD1.4@4250,1600
  Bottom Layer w5: v1(2955.5,3250) 2955.5,3252.7 2968.11,3265.32 R172.4B@2975,3265.32
PMOD1_5: PMOD1.7 R173.1B | length 3258.8
  Int6 (Sign) w5: v1(2951.79,3459.48) 2951.79,3457.69 3010,3399.48 3010,3354.47 3021.01,3343.46 3021.01,3258.56 3013.9,3251.45 3013.9,3238.16 3021.01,3231.05 3021.01,3148.3 3047.06,3122.25 3047.06,3094.59 3049.5,3092.15 3049.5,2874.65 3035,2860.15 3035,2691.57 3048.96,2677.61 3052.2,2677.61 3087.06,2642.76 3087.06,2639.51 3217.03,2509.54 3217.03,2124.66 3216.04,2123.68 3216.04,1897.04 3393.58,1719.5 4389.19,1719.5 4491.5,1617.19 4491.5,1558.5 PMOD1.7@4550,1500
  Bottom Layer w5: v1(2951.79,3459.48) 2953.89,3457.37 2953.89,3453.9 2968.11,3439.68 R173.1B@2975,3439.68
PMOD1_6: PMOD1.8 R173.2B | length 3121.2
  Int6 (Sign) w5: v1(2955.51,3418.48) 2956.24,3418.48 3000,3374.72 3000,3350.33 3011.01,3339.32 3011.01,3262.7 3003.9,3255.59 3003.9,3254.17 3000.25,3250.51 3000.25,3237.67 3011.01,3226.91 3011.01,3217.56 3004.12,3210.67 3004.12,3098.22 3039.5,3062.84 3039.5,2878.8 3025,2864.3 3025,2687.43 3044.82,2667.61 3048.06,2667.61 3077.06,2638.61 3077.06,2635.37 3137.03,2575.4 3137.03,2545.35 3139.09,2543.29 3139.09,2513.88 3137.03,2511.82 3137.03,2130.61 3155,2112.64 3155,1943.94 3389.44,1709.5 4299.19,1709.5 4391.5,1617.19 4391.5,1558.5 PMOD1.8@4450,1500
  Bottom Layer w5: v1(2955.51,3418.48) 2956.26,3419.24 2974.24,3419.24 R173.2B@2975,3419.99
PMOD1_7: PMOD1.9 R173.3B | length 3003.6
  Int6 (Sign) w5: v1(2955.2,3397.48) 2955.32,3397.48 2990,3362.8 2990,3346.19 3001.01,3335.18 3001.01,3266.84 2993.9,3259.73 2993.9,3258.31 2990.25,3254.66 2990.25,3233.53 3001.01,3222.77 3001.01,3221.7 2994.12,3214.81 2994.12,3094.08 3005,3083.2 3005,3064.78 3008.5,3061.28 3008.5,3011.46 3022.81,2997.15 3022.81,2876.25 3015,2868.44 3015,2683.28 3040.67,2657.61 3043.92,2657.61 3067.06,2634.47 3067.06,2631.23 3127.03,2571.26 3127.03,2541.21 3129.09,2539.15 3129.09,2518.02 3127.03,2515.97 3127.03,2126.47 3145,2108.49 3145,1939.8 3385.3,1699.5 4209.19,1699.5 4291.5,1617.19 4291.5,1558.5 PMOD1.9@4350,1500
  Bottom Layer w5: v1(2955.2,3397.48) 2956.61,3398.89 2973.59,3398.89 R173.3B@2975,3400.31